# KiCad board s100_ColorMagic-1.1-003.kicad_pcb (continued)
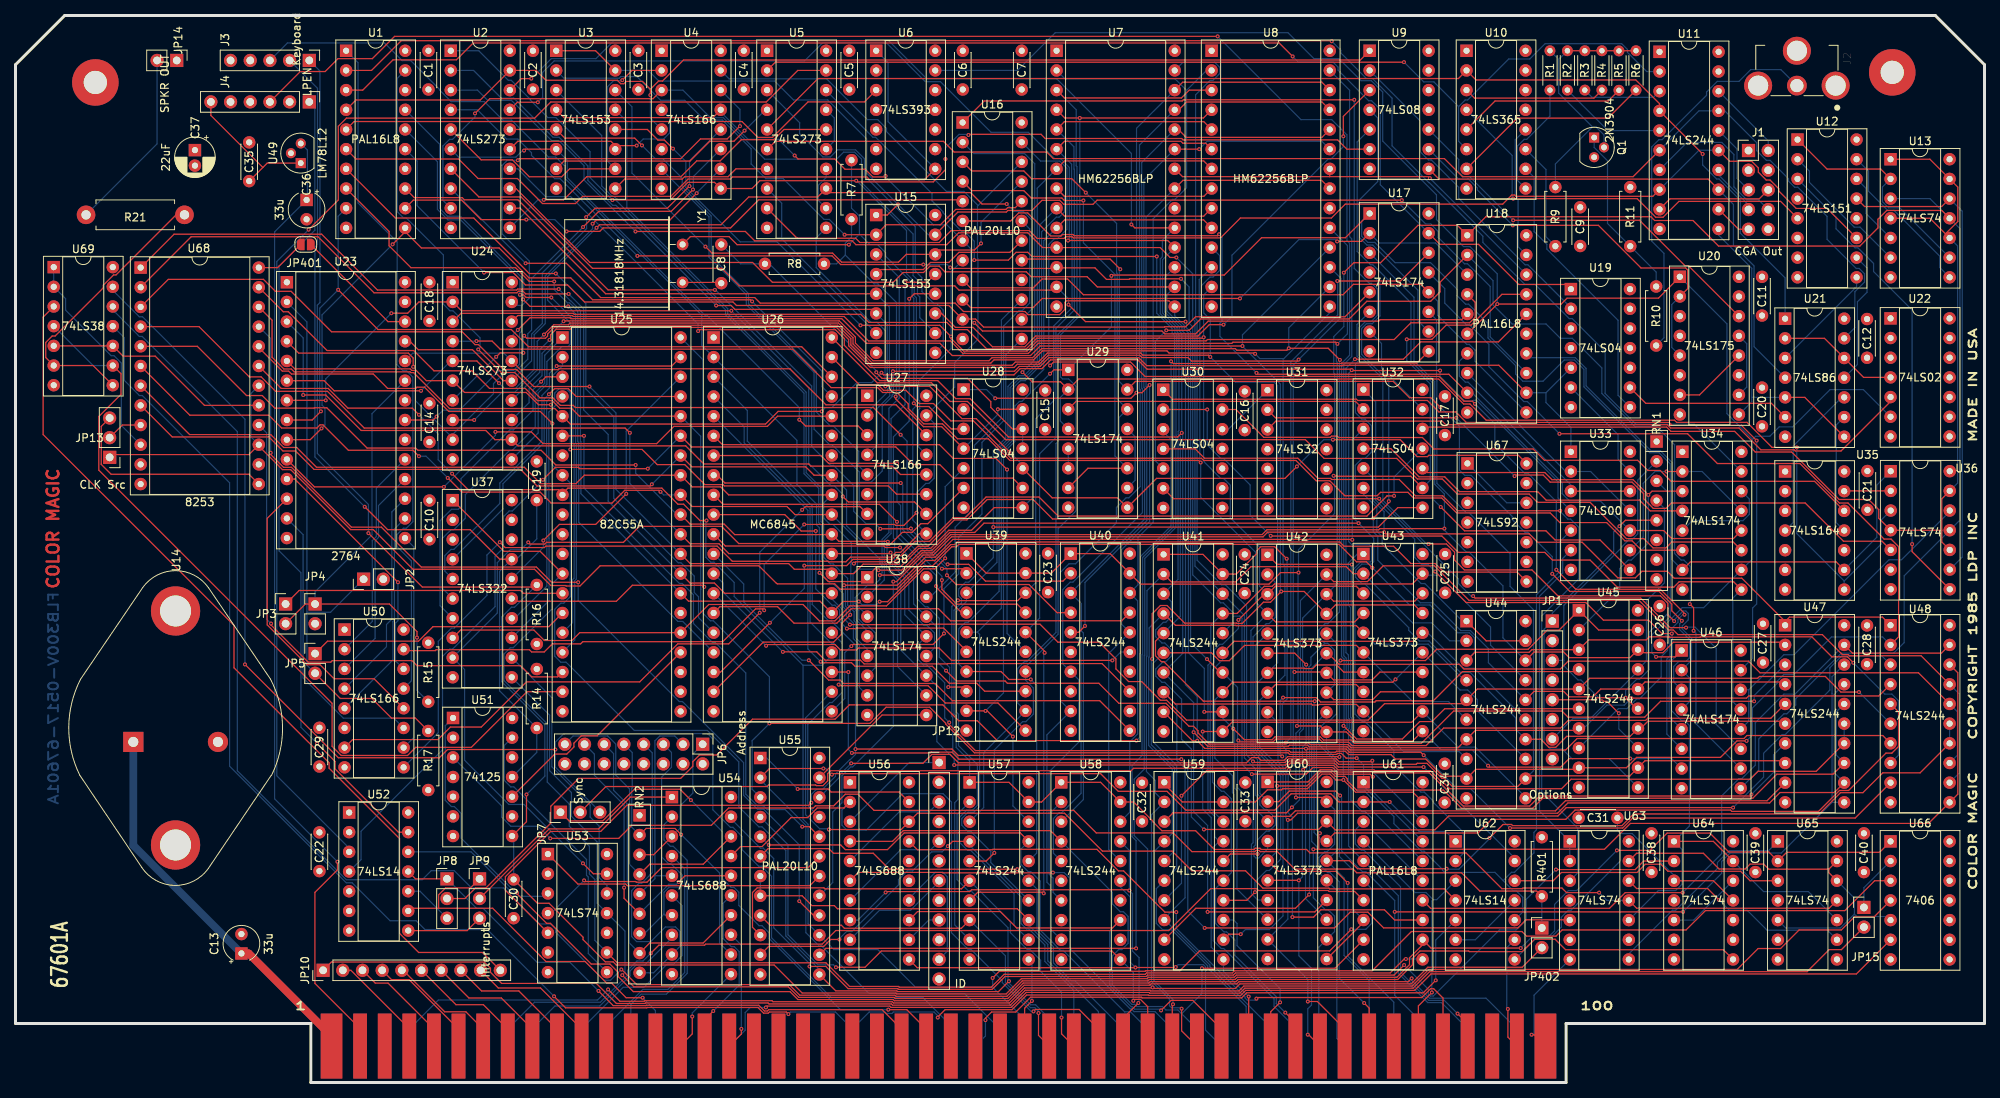
[diagram p0: board, top side]
## Nets (continued)
/Power_Buss_IF/NDEF2: P1.65
/Power_Buss_IF/NDEF3: P1.66
/Power_Buss_IF/NMI*: P1.12
/Power_Buss_IF/pHLDA: P1.26
/Power_Buss_IF/PWRFAIL*: P1.13
/Power_Buss_IF/RESET*: P1.75
/Power_Buss_IF/RFU1: P1.27
/Power_Buss_IF/RFU2: P1.28
/Power_Buss_IF/RFU3: P1.69
/Power_Buss_IF/RFU4: P1.71
/Power_Buss_IF/SDSB*: P1.18
/Power_Buss_IF/sHLTA: P1.48
/Power_Buss_IF/sINTA: P1.96
/Power_Buss_IF/SIXTN*: P1.60
/Power_Buss_IF/sM1: P1.44
/Power_Buss_IF/TMA0*: P1.55
/Power_Buss_IF/TMA1*: P1.56
/Power_Buss_IF/TMA2*: P1.57
/Power_Buss_IF/TMA3*: P1.14
/Power_Buss_IF/XRDY: P1.3
/Q8: U29.3 U32.2
/RAMRD: U7.22 U8.22 U18.18
/RD: U25.5 U33.4 U62.2 U68.22
/RESET: J3.3 U17.1 U26.2 U28.8 U29.1 U38.1 U46.1 U63.10 U64.1 U64.13 U65.10
/SLAVE_CLR: JP402.2 P1.54 U5.18
/STATUS_CS: U45.1 U45.19 U55.22
/sWO: P1.97 U18.16 U61.5
/TMR_INT: JP10.10 U69.3
/TMRCS: U55.16 U68.21
/VI0: JP10.2 P1.4
/VI1: JP10.3 P1.5
/VI2: JP10.4 P1.6
/VI3: JP10.5 P1.7
/VI4: JP10.6 P1.8
/VI5: JP10.7 P1.9
/VI6: JP10.8 P1.10
/VI7: JP10.9 P1.11
/VSYNC_DLY: U6.13 U18.6 U20.1 U22.6 U34.10 U45.8
/WR: U25.36 U33.5 U55.3 U61.1 U62.10 U68.23
A0: P1.79 U25.9 U26.24 U55.15 U61.6 U68.19
A1: P1.80 U25.8 U55.13 U57.2 U68.20
A2: P1.81 U55.11 U57.4
A3: P1.31 U55.10 U57.6
A4: P1.30 U55.9 U57.8
A5: P1.29 U57.11
A6: P1.82 U55.7 U55.8 U57.13
A7: P1.83 U55.6 U57.15
A8: P1.84 U55.5 U57.17
A9: P1.34 U55.4 U58.11
A10: P1.37 U56.13 U58.13
A11: P1.87 U56.11 U58.15
A12: P1.33 U56.8 U58.17
A13: P1.85 U56.6 U58.2
A14: P1.86 U56.4 U58.4 U61.9
A15: P1.32 U54.17 U56.2
A16: P1.16 U54.15
A17: P1.17 U54.13
A18: P1.15 U54.11
A19: P1.59 U54.8
A20: P1.61 U54.6
A21: P1.62 U54.4
A22: P1.63 U54.2
A23: JP9.1 P1.64 U52.9
ALPHA_DOTS: U1.12 U16.5
AT0: U2.2 U15.6 U27.2
AT1: U2.5 U3.10 U4.2
AT2: U2.6 U3.6 U27.3
AT3: U2.9 U4.3 U15.10
AT4: U2.12 U15.5 U27.4
AT5: U2.15 U3.11 U4.4
AT6: U2.16 U3.5 U27.5
AT7: U1.4 U2.19 U4.5 U9.1
ATCLK: U2.11 U5.16
B: U5.9 U11.8 U11.15 U12.11
B_HSYNC_OUT: J1.6 U11.9
B_OUT: J1.9 U11.12
B_VSYNC_OUT: J1.8 U11.7
BACKGROUND_I: U15.12 U38.12
BLINK: U1.5 U6.3
BUS8V: C13.1 P1.1 P1.51 U14.1
BUS16V: C36.1 P1.2 U49.3
BW: U16.16
C0: U3.12 U16.8 U18.4 U27.13
C1: U3.4 U4.13 U16.7 U18.5
CC0: U23.7 U24.2 U27.10
CC1: U4.10 U23.6 U24.5
CC2: U23.5 U24.6 U27.11
CC3: U4.11 U23.4 U24.9
CC4: U23.3 U24.12 U27.12
CC5: U4.12 U23.25 U24.15
CC6: U23.24 U24.16 U27.14
CC7: U4.14 U23.21 U24.19
CCLK: U16.19 U26.21
CGROM11: JP3.1 U25.14
CGROM12: JP5.1 U25.15
CHG_DOTS: U1.1 U50.13
CLOCK: P1.49 U62.9
COLOR_SEL: U16.15 U38.15
CURSOR: U26.19 U32.3
CURSOR_BLINK: U1.6 U6.1 U6.8
D3IN: U16.23 U46.6
DA12: U1.13 U40.2
DA13: U1.19 U40.4
DI0: P1.95 U42.2 U47.11 U47.18 U60.2
DI1: P1.94 U42.5 U47.13 U47.16 U60.5
DI2: P1.41 U42.6 U47.14 U47.15 U60.6
DI3: P1.42 U42.9 U47.12 U47.17 U60.9
DI4: P1.91 U42.12 U48.11 U48.18 U60.12
DI5: P1.92 U42.15 U48.13 U48.16 U60.15
DI6: P1.93 U42.16 U48.14 U48.15 U60.16
DI7: P1.43 U42.19 U48.12 U48.17 U60.19
DISPEN: U26.18 U32.11
DO0: P1.36 U41.2 U43.2 U44.2 U59.2
DO1: P1.35 U41.4 U43.5 U44.4 U59.4
DO2: P1.88 U41.6 U43.6 U44.6 U59.6
DO3: P1.89 U41.8 U43.9 U44.8 U59.8
DO4: P1.38 U41.11 U43.12 U44.11 U59.11
DO5: P1.39 U41.13 U43.15 U44.13 U59.13
DO6: P1.40 U41.15 U43.16 U44.15 U59.15
DO7: P1.90 U41.17 U43.19 U44.17 U59.17
DOTCLK: U4.7 U18.12 U19.5 U27.7 U33.1 U50.7
DOTD0: U23.11 U50.14
DOTD1: U23.12 U50.12
DOTD2: U23.13 U50.11
DOTD3: U23.15 U50.10
DOTD4: U23.16 U50.5
DOTD5: U23.17 U50.4
DOTD6: U23.18 U50.3
DOTD7: U23.19 U50.2
ENABLE_BLINK: U1.3 U17.15 U19.1
FB1: U18.7 U33.3 U33.12
FB2: U18.8 U33.2 U33.11
G: U5.6 U11.6 U11.17 U21.13
G_OUT: J1.7 U11.14
GA0: U26.4 U39.11
GA1: U26.5 U39.13
GA2: U26.6 U39.15
GA3: U26.7 U39.17
GA4: U26.8 U39.2
GA5: U26.9 U39.4
GA6: U26.10 U39.6
GA7: U26.11 U39.8
GA8: U26.12 U40.11
GA9: U26.13 U40.13
GA10: U26.14 U40.15
GA11: U26.15 U40.17
GA12: U1.7 U26.16
GA13: U1.8 U26.17
GRPH: U1.15 U16.11 U17.5
HCLK: U18.17 U32.9 U39.1 U39.19 U40.1 U40.19 U42.11 U43.11 U46.7 U60.11 U61.8
HDGRAPHIC: U16.9 U17.12 U18.11
HI_ADDR: U54.19 U61.11
HRES: U16.10 U17.2 U18.3
HSYNC: U26.39 U34.6
HSYNC_OUT: U11.11 U20.9 U21.5 U21.8
I: U5.2 U10.6 U11.2
I_OUT: J1.2 U11.18
IDSELECT: U55.1 U56.19
KBD_CLK: C30.1 J3.1 R16.1 U51.8 U64.2
KBD_DATA: C19.1 J3.2 R14.1 U37.17 U51.11
LATCH_CLK: U5.13 U16.14 U24.11
LC1: U5.12 U5.14
LC2: U5.15 U5.17
LCLK: U16.2 U29.2 U29.4 U35.8 U36.3
LPENSTR: U26.3 U45.4 U53.5
MA0: U7.10 U8.10 U39.9 U57.18
MA1: U7.9 U8.9 U39.7 U57.16
MA2: U7.8 U8.8 U39.5 U57.14
MA3: U7.7 U8.7 U39.3 U57.12
MA4: U7.6 U8.6 U39.18 U57.9
MA5: U7.5 U8.5 U39.16 U57.7
MA6: U7.4 U8.4 U39.14 U57.5
MA7: U7.3 U8.3 U39.12 U57.3
MA8: U7.25 U8.25 U40.9 U58.9
MA9: U7.24 U8.24 U40.7 U58.7
MA10: U7.21 U8.21 U40.5 U58.5
MA11: U7.23 U8.23 U40.3 U58.3
MA12: U7.2 U8.2 U40.18 U58.18
MA13: U7.26 U8.26 U28.1 U40.16 U58.16
MDO0: U8.11 U24.3 U42.3 U43.3 U59.18
MDO1: U8.12 U24.4 U42.4 U43.4 U59.16
MDO2: U8.13 U24.7 U42.7 U43.7 U59.14
MDO3: U8.15 U24.8 U42.8 U43.8 U59.12
MDO4: U8.16 U24.13 U42.13 U43.13 U59.9
MDO5: U8.17 U24.14 U42.14 U43.14 U59.7
MDO6: U8.18 U24.17 U42.17 U43.17 U59.5
MDO7: U8.19 U24.18 U42.18 U43.18 U59.3
MDO8: U2.3 U7.11 U41.18 U47.9 U60.3
MDO9: U2.4 U7.12 U41.16 U47.7 U60.4
MDO10: U2.7 U7.13 U41.14 U47.5 U60.7
MDO11: U2.8 U7.15 U41.12 U47.3 U60.8
MDO12: U2.13 U7.16 U41.9 U48.9 U60.13
MDO13: U2.14 U7.17 U41.7 U48.7 U60.14
MDO14: U2.17 U7.18 U41.5 U48.5 U60.17
MDO15: U2.18 U7.19 U41.3 U48.3 U60.18
MEMCS: U61.12 U65.2 U66.1 U69.12
MUX_G: U3.9 U5.7
MUX_I: U5.3 U15.9
MUX_R: U3.7 U5.4
MUXA: U3.14 U15.14 U16.21
MUXB: U3.2 U15.2 U16.20
MUXBLUE: U5.8 U15.7
NEW_RESET: U5.19 U52.3
OVERSCAN_B: U15.3 U38.2
OVERSCAN_G: U3.13 U38.5
OVERSCAN_I: U15.13 U38.10
OVERSCAN_R: U3.3 U38.7
PD0: U17.3 U25.34 U26.33 U38.3 U44.18 U45.18 U47.2 U68.8
PD1: U17.4 U25.33 U26.32 U38.4 U44.16 U45.16 U47.4 U68.7
PD2: U17.6 U25.32 U26.31 U38.6 U44.14 U45.14 U47.6 U68.6
PD3: U17.11 U25.31 U26.30 U38.11 U44.12 U45.12 U47.8 U68.5
PD4: U17.13 U25.30 U26.29 U38.13 U44.9 U45.9 U48.2 U68.4
PD5: U17.14 U25.29 U26.28 U38.14 U44.7 U45.7 U48.4 U68.3
PD6: U25.28 U26.27 U44.5 U45.5 U48.6 U68.2
PD7: U25.27 U26.26 U44.3 U45.3 U48.8 U68.1
pDBIN: P1.78 U55.2 U61.2 U62.1
PHI: JP8.1 P1.24 U52.11
POC*: P1.99 U51.1
PORTC2: U1.16 U25.16
PORTC3: U1.17 U25.17
PRDY: P1.72 U66.6 U69.11
pSTVAL: JP7.1 P1.25
pSYNC: JP7.3 P1.76 U69.13
pWR*: P1.77 U62.5
Q2: U29.5 U29.6
Q3: U16.4 U29.7 U29.11
Q4: U29.10 U29.13
Q5: U16.3 U29.12 U29.14
Q6: U16.17 U29.15 U46.3
Q7: U16.1 U46.2 U46.4
Q8: U32.1 U46.5
R: U5.5 U10.2 U11.4 U21.1
R_OUT: J1.5 U11.16
RA0: U1.9 U23.8 U26.38
RA1: U1.11 U23.9 U26.37
RA2: U23.10 U26.36
RESET: U25.35 U28.9 U52.4
SELBLUE: U15.4 U16.18
sINP: P1.46 U56.17
SL: U4.15 U16.22 U27.15 U50.15
sMEMR: P1.47 U61.3
sOUT: P1.45 U61.4 U62.3
SPKR_DATA: U25.19 U69.4 U69.9
SPKR_GATE: U25.18 U68.16
STR: U3.1 U3.15 U15.1 U15.15 U18.13
SYNC_SRC: U62.12 U65.3
U12.5: U10.4 U12.5
U19.8: U10.10 U19.8
U25.13: U25.13 U37.1 U53.9 U66.3
U25.24: U25.24 U51.10
U25.25: U25.25 U28.5 U37.8
U35.12: U30.13 U35.12
U35.13: U35.13 U36.2
VIDEO_EN: U9.4 U17.10
VSYNC: U26.40 U34.11
VSYNC_OUT: U9.8 U11.13 U21.4
XTRQ: P1.58 U61.7
Net-(C8-Pad1): C8.1 R8.2 U28.11 U28.12
Net-(C8-Pad2): C8.2 Y1.2
Net-(C31-Pad1): C31.1 U62.8 U64.3 U64.11
Net-(J2-Pad2): J2.2 R10.2
Net-(J4-Pad1): J4.1 U52.13
Net-(JP1-Pad1): JP1.1 RN1.5 U45.11
Net-(JP1-Pad3): JP1.3 RN1.2 U45.13
Net-(JP1-Pad5): JP1.5 RN1.3 U45.15
Net-(JP1-Pad7): JP1.7 RN1.4 U45.17
Net-(JP2-Pad1): JP2.1 JP5.2 R17.2 U23.2
Net-(JP3-Pad2): JP3.2 JP4.1 R15.2 U23.23
Net-(JP6-Pad1): JP6.1 RN2.3 U54.3
Net-(JP6-Pad3): JP6.3 RN2.5 U54.5
Net-(JP6-Pad5): JP6.5 RN2.7 U54.7
Net-(JP6-Pad7): JP6.7 RN2.9 U54.9
Net-(JP6-Pad9): JP6.9 RN2.2 U54.12
Net-(JP6-Pad11): JP6.11 RN2.8 U54.14
Net-(JP6-Pad13): JP6.13 RN2.6 U54.16
Net-(JP6-Pad15): JP6.15 RN2.4 U54.18
Net-(JP7-Pad2): JP7.2 U62.13
Net-(JP8-Pad2): JP8.2 U30.3
Net-(JP8-Pad3): JP8.3 U52.10
Net-(JP9-Pad2): JP9.2 U54.1
Net-(JP9-Pad3): JP9.3 U52.8
Net-(JP12-Pad1): JP12.1 U56.3
Net-(JP12-Pad3): JP12.3 U56.5
Net-(JP12-Pad5): JP12.5 U56.7
Net-(JP12-Pad7): JP12.7 U56.9
Net-(JP12-Pad9): JP12.9 U56.12
Net-(JP12-Pad11): JP12.11 U56.14
Net-(JP13-Pad1): JP13.1 U67.8 U68.15 U68.18
Net-(JP13-Pad2): JP13.2 U68.9
Net-(JP13-Pad3): JP13.3 U68.13
Net-(JP14-Pad2): JP14.2 R21.2
Net-(JP15-Pad1): JP15.1 U66.2
Net-(JP401-Pad1): JP401.1 U23.26
Net-(JP402-Pad1): JP402.1 R401.1 U51.3
Net-(Q1-Pad1): Q1.1 R10.1 R11.2
Net-(Q1-Pad2): Q1.2 R1.2 R2.2 R3.2 R4.2 R5.2 R6.2 R9.2
Net-(R1-Pad1): R1.1 U10.9
Net-(R2-Pad1): R2.1 U11.5
Net-(R3-Pad1): R3.1 U11.3
Net-(R4-Pad1): R4.1 U10.3
Net-(R5-Pad1): R5.1 U10.5
Net-(R6-Pad1): R6.1 U10.7
Net-(R7-Pad1): R7.1 U28.3 Y1.1
Net-(R7-Pad2): R7.2 R8.1 U28.4 U28.13
Net-(R9-Pad1): R9.1 U10.11
Net-(R21-Pad1): R21.1 U69.6 U69.8
Net-(U12-Pad1): U12.1 U13.2 U13.9
Net-(U12-Pad2): U12.2 U13.6
Net-(U12-Pad3): U12.3 U36.8
Net-(U12-Pad9): U12.9 U21.3
Net-(U12-Pad10): U12.10 U21.11
Net-(U12-Pad13): U12.13 U13.12 U36.9
Net-(U12-Pad14): U12.14 U13.5
Net-(U12-Pad15): U12.15 U13.8
Net-(U15-Pad11): U9.3 U15.11
Net-(U17-Pad7): U17.7 U32.13
Net-(U19-Pad6): U19.6 U33.13
Net-(U19-Pad9): U19.9 U21.6
Net-(U20-Pad2): U9.9 U20.2 U20.5
Net-(U20-Pad10): U20.10 U20.13
Net-(U20-Pad12): U20.7 U20.12
Net-(U20-Pad14): U9.10 U20.14
Net-(U21-Pad9): U21.9 U35.11
Net-(U21-Pad10): U21.10 U35.4
Net-(U21-Pad12): U21.2 U21.12 U22.4
Net-(U22-Pad5): U22.5 U31.3
Net-(U25-Pad1): U25.1 U37.6
Net-(U25-Pad2): U25.2 U37.14
Net-(U25-Pad3): U25.3 U37.7
Net-(U25-Pad4): U25.4 U37.13
Net-(U25-Pad37): U25.37 U37.4
Net-(U25-Pad38): U25.38 U37.16
Net-(U25-Pad39): U25.39 U37.5
Net-(U25-Pad40): U25.40 U37.15
Net-(U28-Pad6): U28.6 U37.9 U53.13
Net-(U30-Pad1): U30.1 U46.15
Net-(U30-Pad4): U30.4 U63.3
Net-(U30-Pad12): U30.12 U31.1
Net-(U31-Pad2): U31.2 U36.5
Net-(U32-Pad4): U32.4 U34.4
Net-(U32-Pad6): U32.6 U44.1 U44.19
Net-(U33-Pad6): U33.6 U63.1 U63.2
Net-(U33-Pad8): U9.5 U33.8
Net-(U33-Pad9): U33.9 U34.2 U34.13
Net-(U34-Pad14): U34.5 U34.14
Net-(U37-Pad11): U37.11 U53.11 U64.8
Net-(U37-Pad12): U37.12 U53.12
Net-(U51-Pad13): U51.13 U53.8
Net-(U52-Pad12): U52.12 U53.3
Net-(U62-Pad11): U62.6 U62.11
Net-(U63-Pad8): U63.8 U65.1
Net-(U63-Pad12): U63.12 U65.9
Net-(U63-Pad13): U63.13 U65.5 U65.12 U65.13 U66.5
Net-(U64-Pad12): U64.5 U64.12
Net-(U67-Pad1): U67.1 U67.12
Net-(U68-Pad10): U68.10 U69.1 U69.2
Net-(U68-Pad17): U68.17 U69.5 U69.10

Pads without a net: H1 1; H2 1; J1 3 4; J4 2; RN1 6 7 8; U1 14 18; U6 4 5 6 9 10 11; U9 11 12 13; U10 13 14; U12 6; U18 15; U19 3 4 10 11 12 13; U20 3 6 11 15; U22 1 2 3 8 9 10 11 12 13; U23 1 27; U25 10 11 12 20 21 22 23; U26 34 35; U30 8 9 10 11; U31 4 5 6 8 9 10 11 12 13; U35 3 5 6 10; U36 6; U40 6 8 12 14; U51 4 5 6; U52 1 2 5 6; U53 6; U58 6 8 12 14; U63 6 9; U64 6 9; U65 6 8; U66 8 9 10 11 12 13; U67 2 3 4 9 11 13

## Via types
v1: diameter 0.508, hole 0.254, Component to Copper, 438 vias

## Routing (per net, layer and track width the routed paths; a pad name or vN(x,y) marks a point on that pad's centre or on a via; arc(x,y) is an arc through that point)
+12V: length 18.9
  Component w0.152: U49.1 32.47,118.66 31.91,118.09 ; 31.91,118.09 C35.1 ; 31.91,118.09 25.2,124.8 25.2,126.56
GND: length 16.4
  Component w0.152: v1(195.58,6.17) 195.89,6.17 197.36,4.7
  Copper w0.152: 195.89,6.17 197.36,4.7 ; 195.89,6.17 v1(195.58,6.17) ; 195.89,6.17 195.89,11.27 U63.7
VCC: length 6.6
  Component w0.152: U68.24 33.81,105.17 JP401.2
3.58MHZ: length 42.1
  Copper w0.152: 223.59,50.68 223.59,46.64 U46.12 ; 223.59,50.68 228.12,55.2 229.43,55.2 241.69,67.47 243.3,67.47 249.52,73.69 U36.12 ; 223.59,50.68 U46.14
7MHZ: length 148.7
  Component w0.152: v1(216.47,58.3) 216.47,61.26 v1(215.99,61.74) ; U18.2 183.77,103.29 183.77,102.04 182.55,100.82 174.32,100.82 172.04,98.54 152.87,98.54 151.41,97.08 v1(148.45,97.08)
  Copper w0.152: U18.2 190.6,103.48 190.6,100.36 193.06,97.89 197.44,97.89 199.28,96.05 200.81,96.05 204.64,92.21 204.64,88.93 208.93,84.64 211.69,84.64 214.02,82.31 214.02,68.27 214.87,67.42 215.22,67.42 216.06,66.59 216.06,61.81 v1(215.99,61.74) ; U30.5 147.04,80.24 147.04,95.67 v1(148.45,97.08) ; v1(216.47,58.3) 216.77,58 216.77,46.3 U46.10
14MCLK: length 327.3
  Component w0.152: v1(128.21,81.4) 123.93,85.68 122.09,85.68 117.93,89.84 v1(112.21,89.84) ; v1(169.95,82.96) 178.62,82.96 180.81,80.78 182.15,80.78 182.31,80.94 193.87,80.94 U67.14 ; U13.11 248.49,112.54 241.38,112.54 240.25,111.41 240.25,110.29 237.92,107.95 219.7,107.95 216.4,111.25 211.45,111.25 210.96,111.74 189.68,111.74 U18.1 186,110.62 180.91,110.62 176.1,105.81 172.64,105.81 v1(171.35,104.51) ; v1(165.3,79.5) 163.76,77.97 147.2,77.97 U29.9 142.15,75.46 133.73,75.46 U28.10
  Copper w0.152: U28.10 129.92,79.69 v1(128.21,81.4) ; U13.3 246.96,114.08 U13.11 250.83,110.21 250.83,72.58 U36.11 243.64,65.39 243.64,56.77 242.28,55.41 235.53,55.41 229.65,49.53 229.65,48.72 228.51,47.59 228.12,47.59 224.88,44.34 224.88,40.31 U46.9 ; v1(171.35,104.51) 171.35,97.57 170.05,96.27 170.05,91.56 170.17,91.44 170.17,83.18 v1(169.95,82.96) 168.75,82.96 v1(165.3,79.5) ; v1(112.21,89.84) 112.17,89.89 112.17,97.08 111.13,98.11 110.34,98.11 103.29,105.16 103.29,109.02 U5.11
6845E: length 127.9
  Component w0.152: v1(153.41,19.95) 170.14,19.95 172.17,21.98 174.46,21.98 176.49,19.95 193.81,19.95 194.86,21 200.46,21 U63.5 ; U26.23 v1(107.43,52.97) ; v1(150.39,41.72) 121.71,41.72 120.8,42.63 118.09,42.63 117.99,42.53 v1(107.9,42.53)
  Copper w0.152: v1(107.43,52.97) 107.43,42.99 v1(107.9,42.53) ; v1(153.41,19.95) 151.23,22.13 151.23,40.89 v1(150.39,41.72)
/3.6MCLK: length 106.1
  Component w0.152: U30.2 v1(153.73,86.86) ; v1(161.93,70.55) 161.96,70.52 184,70.52 186.11,68.41 197.28,68.41 198.27,67.42 203.12,67.42 206.61,63.93 213.92,63.93 214.61,64.62 221.64,64.62 U34.9
  Copper w0.152: v1(161.93,70.55) 159.27,73.21 159.27,77.11 155.88,80.5 155.52,80.5 153.73,82.29 v1(153.73,86.86) ; U34.9 221.53,62.5 221.53,49.16 U46.13
/7MHZ: length 94.7
  Component w0.152: v1(188.03,62.78) 188.29,62.52 209.64,62.52 213.45,58.7 v1(215.5,58.7) ; v1(175.92,75.34) 149.4,75.34 U30.6
  Copper w0.152: U46.11 219.39,46.22 219.39,56.04 216.65,58.77 215.56,58.77 v1(215.5,58.7) ; v1(188.03,62.78) 187.76,62.78 186.12,64.42 186.12,65.01 175.92,75.21 v1(175.92,75.34)
/6845CS: length 27
  Copper w0.152: U26.25 106.66,56.69 106.66,50.36 105.34,49.04 105.02,49.04 102.2,46.21 102.2,35.76 U55.21
/6845WRT: length 107.5
  Component w0.152: U62.4 184.29,24.99 169.52,24.99 169.43,25.08 160.91,25.08 158.68,27.32 151.74,27.32 149.2,29.86 140.22,29.86 135.33,34.75 116.36,34.75 U56.18 114.25,32.65 v1(104.93,32.65)
  Copper w0.152: U26.22 101.92,47.05 101.92,34.56 103.74,32.74 104.84,32.74 v1(104.93,32.65)
/BLANK: length 17.3
  Copper w0.152: U10.12 193.46,121.66 193.46,114.46 193.84,114.09 193.84,107.86 U18.19
/BW: length 140.7
  Component w0.152: U32.12 181.74,84.59 213,84.59 213.56,84.03 221.77,84.03 224.43,81.37 229.12,81.37 235.25,75.24 239.05,75.24 240.35,73.95 240.35,72.83 U36.4 248.49,71.28 ; 248.49,71.28 248.49,75.32 U36.13 ; 248.49,71.28 248.49,69.77 U36.10 ; U13.10 248.96,109.53 ; 248.96,109.53 246.96,111.53 U13.4 ; 248.96,109.53 250.56,111.13 250.56,115.56 U13.13 246.96,119.16 U13.1
  Copper w0.152: U13.10 250.53,107.97 250.53,77.36 U36.13
/CLR_SL: length 277.2
  Component w0.152: v1(122.93,122.28) 123.01,122.37 132.3,122.37 132.83,121.83 150.43,121.83 150.61,121.66 170.54,121.66 171.75,120.45 U9.6 ; v1(62.47,69.73) 63.17,69.04 68.22,69.04 68.41,69.22 90.52,69.22 92.47,67.27 104.82,67.27 104.89,67.2 107.12,67.2 107.72,67.8 112.94,67.8 113.56,68.42 114.18,68.42 116.61,70.85 U27.9 ; v1(119.96,119.19) 119.96,117.8 118.39,116.23 108.6,116.23 v1(108.45,116.38) 96.02,116.38 95.01,115.38 U4.9 90.17,116.17 86.73,116.17 84.46,113.9 v1(77,113.9)
  Copper w0.152: v1(62.47,69.73) 60.81,68.07 60.81,62.86 56.6,58.64 56.24,58.64 54.54,56.94 54.54,45.15 U50.9 ; v1(122.93,122.28) 122.85,122.36 121.72,122.36 119.96,120.6 v1(119.96,119.19) ; v1(108.45,116.38) 108.51,116.38 114.94,109.96 114.94,104.4 115.93,103.4 115.93,101.56 116.21,101.27 116.21,87.98 116.34,87.85 116.34,87.47 115.74,86.88 115.74,72.61 U27.9 ; U2.1 59.76,133.16 63.57,129.34 63.94,129.34 66.41,126.87 66.41,126.79 68.68,124.53 69.71,124.53 74.12,120.12 74.12,116.78 v1(77,113.9)
/CURSOR_DLY: length 212.1
  Component w0.152: U1.2 45.92,130.62 49.76,134.46 169.72,134.46 v1(169.79,134.39)
  Copper w0.152: U34.15 216.55,84.95 209.03,84.95 205.06,88.92 205.06,94.34 200.82,98.59 200.44,98.59 196.03,102.99 194.72,102.99 189.29,108.42 189.29,109.23 182.38,116.14 182.32,116.14 177.58,120.88 177.58,127.03 175.03,129.58 174.26,129.58 170.96,132.87 170.96,133.22 v1(169.79,134.39)
/DISPEN: length 56.5
  Component w0.152: U32.10 182.05,78.72 197.28,78.72 198.21,77.8 208.67,77.8 v1(210.63,75.83) 211.12,76.31 U34.3
  Copper w0.152: U45.2 206.94,63.66 206.94,66.32 208.05,67.42 208.43,67.42 210.63,69.63 v1(210.63,75.83)
/DISPEN_DLY: length 127.7
  Component w0.152: U33.10 212.61,71.23 213.64,70.2 221.61,70.2 U34.12 ; 187.28,89.02 184.9,91.4 160.26,91.4 v1(160.09,91.58) ; U16.6 128.38,111.2 129.41,112.23 130.57,112.23 133.55,109.25 134.87,109.25 135.05,109.43 136.42,109.43 136.57,109.28 155.08,109.28 v1(155.27,109.48)
  Copper w0.152: v1(155.27,109.48) 155.64,109.11 155.64,98.26 155.37,97.99 155.37,96.29 v1(160.09,91.58) ; U33.10 204.46,75.05 200.48,75.05 199.53,75.99 199.53,77.37 187.88,89.02 187.28,89.02
/EN2: length 84.1
  Component w0.152: U61.13 177.91,20.97 176.59,22.29 168.39,22.29 167.45,21.34 v1(164.73,21.34) ; U41.1 153.18,68.16 U41.19 157.47,65.61 160.14,68.28 160.14,68.64 160.64,69.15 162.43,69.15 v1(163.98,67.6)
  Copper w0.152: v1(163.98,67.6) 164.04,67.54 164.04,49.51 163.42,48.89 163.42,43.46 163.88,43 163.88,40.62 163.79,40.53 163.79,40.15 164.17,39.77 164.17,34.81 164.73,34.25 v1(164.73,21.34)
/EN3: length 90.9
  Component w0.152: v1(215.06,24.51) 207.65,24.51 205.63,22.48 182.55,22.48 U61.14 ; U48.19 248.44,55.42 236.96,55.42 U47.19
  Copper w0.152: U47.19 229.55,50.12 228.12,50.12 224.43,46.43 224.43,40.95 222.69,39.21 222.31,39.21 220.09,36.99 220.09,29.54 v1(215.06,24.51)
/EN4: length 47.7
  Copper w0.152: U43.1 173.1,68.2 171.93,67.03 171.93,61.6 172.23,61.3 172.23,47.15 172.33,47.04 172.33,45.61 172.27,45.54 172.27,36.41 173.74,34.94 174.12,34.94 175.01,34.05 175.01,32.56 U61.15
/EN5: length 54.1
  Component w0.152: U42.1 162.73,66.88 172.36,66.88 v1(172.39,66.85)
  Copper w0.152: U61.16 174.91,35.2 174.91,36.73 174.06,37.58 173.1,37.58 172.55,38.13 172.55,45.4 172.64,45.48 172.64,47.14 172.51,47.27 172.51,61.42 172.3,61.62 172.3,66.76 v1(172.39,66.85)
/EN6: length 25.6
  Component w0.152: v1(175.08,39.46) 174.75,39.79 170.37,39.79 169.8,40.36 168.29,40.36 166.72,38.79 U60.1
  Copper w0.152: v1(175.08,39.46) 175.08,37.57 U61.17
/ENABLE_BLINK: length 41.9
  Copper w0.152: U19.2 200.65,99.98 195.1,105.53 194.74,105.53 186.17,114.1 186.17,115.54 182.66,119.06 182.27,119.06 181.22,120.11 181.22,124.07 U9.2
/EVNWR: length 131
  Component w0.152: U61.19 180.27,37.46 172.88,37.46 v1(171.29,39.05) 170.32,39.05 169.56,39.8 168.53,39.8 166.64,37.91 163.46,37.91 163.32,37.77 161.49,37.77 159.93,36.21 U59.19 150.51,36.21 148.2,38.52 U59.1
  Copper w0.152: v1(171.29,39.05) 171.29,45.36 171.77,45.84 171.77,46.81 171.66,46.92 171.66,54.77 171.34,55.08 171.34,92.67 172.37,93.7 172.37,108.88 172.1,109.15 172.1,128.06 U8.27
/HCLK: length 240
  Component w0.152: U32.8 178.32,74.19 175.81,71.68 v1(126.14,71.68) ; U63.11 209.13,22.49 233.96,22.49 U65.11 ; U57.1 128.16,38.74 130.7,36.2 132.36,36.2 U58.1 139.98,38.74 142.52,36.2 144.25,36.2 146.75,33.7 146.75,33.63 147.88,32.49 152.23,32.49 154.65,30.08 159.77,30.08 159.93,30.23 160.54,30.23 160.7,30.08 166.54,30.08 166.98,29.64 187.12,29.64 191.74,25.01 194.37,25.01 194.46,25.1 199.49,25.1 200.08,24.51 v1(204.29,24.51)
  Copper w0.152: U63.11 205.29,23.5 v1(204.29,24.51) ; U57.1 123.08,41.51 121.35,43.25 121.35,47.28 121.07,47.56 121.07,60.94 122.03,61.91 122.03,62.42 121.66,62.79 121.66,63.69 122.55,64.57 122.97,64.57 126.14,67.73 v1(126.14,71.68) 126.14,81.57 127.74,83.17 127.74,93.9 U16.13
/HSYNC_DLY: length 77.3
  Component w0.152: U34.7 216.06,67.19 234.87,67.19 U35.9
  Copper w0.152: U35.9 240.11,70.36 240.11,77.1 U36.1 ; U34.7 213.74,67.44 213.74,79.97 212.15,81.56 210.95,81.56 202.6,89.9 202.6,92.16 201.21,93.55 195.45,93.55 194.9,94.1
/IDEN1: length 191.9
  Component w0.152: U47.1 228.28,59.5 ; 228.28,59.5 228.85,60.06 240.83,60.06 U48.1 ; 228.28,59.5 222.69,65.08 213.97,65.08 213.07,65.98 209.82,65.98 208.97,65.13 206.69,65.13 202.1,69.73 196.35,69.73 195.27,70.8 176.77,70.8 v1(176.55,71.03) 161.53,71.03 160.93,70.43 120.75,70.43 118.4,68.08 117.08,68.08 113.65,64.64 v1(113.24,64.64)
  Copper w0.152: U32.5 175.18,77.97 175.18,75.04 176.55,73.67 v1(176.55,71.03) ; v1(113.24,64.64) 113.24,45.98 107.99,40.73 107.75,40.73 106.61,39.59 106.61,36.1 105.42,34.91 105.42,25.82 U55.17
/IO Chips/KBD_INT*: length 211
  Component w0.152: JP10.1 40.75,15.55 60.47,15.55 61.27,14.74 61.27,14.23 62.71,12.78 74.93,12.78 77.52,10.2 81.21,10.2 81.27,10.27 97.08,10.27 97.21,10.14 112.99,10.14 113.15,9.98 128.33,9.98 130.26,11.91 146.34,11.91 146.43,11.82 157.83,11.82 158.46,12.45 180.16,12.45 182.3,14.59 222.09,14.59 224.79,17.29 227.69,17.29 230.09,19.69 235.53,19.69 237.26,21.42 239.8,21.42 U66.4
/LPEN_CLR: length 37.2
  Component w0.152: U55.18 102.47,25.41 78.91,25.41 78.71,25.61 72.55,25.61 U53.1
/LPEN_SET: length 38.2
  Component w0.152: U55.19 102.26,27.74 83.35,27.74 81.46,25.85 80.09,25.85 80,25.93 73.5,25.93 v1(73.35,26.09)
  Copper w0.152: v1(73.35,26.09) 69.12,21.86 U53.4
/LPENSW: length 257.4
  Component w0.152: J4.3 36.74,130.47 39.94,130.47 41.6,132.14 46.03,132.14 48.9,135.01 v1(155.08,135.01) ; U45.6 184.37,48.24 182.71,46.58 181.15,46.58 178.9,44.33 173.01,44.33 v1(171.31,46.03)
  Copper w0.152: v1(155.08,135.01) 165.82,124.27 169.79,124.27 171.75,122.31 171.75,108.65 172.09,108.31 172.09,93.85 171.06,92.82 171.06,54.97 171.38,54.65 171.38,46.1 v1(171.31,46.03)
/ODDWR: length 127.3
  Component w0.152: v1(175.03,41.53) 174.9,41.4 170.75,41.4 170.37,41.78 164.24,41.78 163.77,41.3 159.77,41.3 v1(159.63,41.44)
  Copper w0.152: U61.18 175.03,40.16 v1(175.03,41.53) ; v1(159.63,41.44) 158.81,42.27 158.81,61.5 156.08,64.23 155.61,64.23 152.42,67.41 152.42,98.38 152.23,98.57 152.23,127.46 154.09,129.32 154.45,129.32 155.38,130.25 155.38,130.99 154.71,131.65 150.58,131.65 U7.27
/PHANTOM: length 154.3
  Component w0.152: JP15.2 235.54,17.15 233.96,17.15 231.12,14.31 182.41,14.31 180.28,12.17 158.58,12.17 157.94,11.54 146.31,11.54 146.23,11.62 130.37,11.62 128.44,9.69 112.95,9.69 112.78,9.86 96.97,9.86 v1(96.8,9.69)
  Copper w0.152: v1(96.8,9.69) 94.8,9.69 94.12,9.02 94.12,6.75 P1.67
/PIACS: length 69.8
  Component w0.152: U25.6 v1(73.33,83.45) ; U55.20 102.4,33.02 v1(101.49,33.02)
  Copper w0.152: v1(101.49,33.02) 99.29,35.22 96.97,35.22 96.49,35.7 95.73,35.7 94.2,37.22 94.2,52.85 90.27,56.78 89.91,56.78 87.46,59.24 87.46,62.95 86,64.41 85.64,64.41 73.33,76.72 v1(73.33,83.45)
/PORT1_WR: length 153.5
  Component w0.152: v1(149.06,93.08) 149.35,92.79 171.04,92.79 171.09,92.85 180.77,92.85 U17.9 ; U55.14 104.53,17.31 v1(144.56,17.31)
  Copper w0.152: v1(149.06,93.08) 149.06,83.37 149.34,83.1 149.34,71.7 145.39,67.75 145.39,55.27 145.33,55.2 145.33,42.2 144.03,40.91 144.03,31.74 144.56,31.22 v1(144.56,17.31)
/PORT2_WR: length 17.1
  Component w0.152: U38.9 111.78,47.43 U55.23
/Q8: length 38.9
  Component w0.152: U29.3 136.81,87.9 172.86,87.9 173.87,86.89 U32.2
/RAMRD: length 52
  Component w0.152: U7.22 150.55,116.91 169.54,116.91 ; v1(182.45,116.71) 182.26,116.91 169.54,116.91 ; 169.54,116.91 U8.22
  Copper w0.152: v1(182.45,116.71) 194.9,104.26 U18.18
/RD: length 266.3
  Component w0.152: v1(183.77,91.88) 172.43,91.88 v1(172.38,91.93) 172.25,92.06 145.98,92.06 144.78,93.26 133.53,93.26 132.4,92.13 129.61,92.13 128.8,91.33 111.99,91.33 v1(111.71,91.6) ; v1(104,86.61) 98.38,86.61 96.74,84.98 71.58,84.98 U25.5 69.57,86.98 55.99,86.98 51.35,91.62 50.99,91.62 50.89,91.72 35.95,91.72 35.58,92.09 34.61,92.09 33.1,93.6 33.1,98.38 U68.22
  Copper w0.152: v1(104,86.61) 104.48,87.09 105.31,87.09 108.54,90.33 110.45,90.33 111.71,91.59 v1(111.71,91.6) ; U62.2 186.78,29.59 186.78,32.28 182.91,36.15 182.91,36.29 181.72,37.48 181.29,37.48 177.8,40.97 177.8,42.86 174.05,46.62 173.72,46.62 172.79,47.55 172.79,61.53 172.58,61.74 172.58,66.21 173.55,67.19 174.78,67.19 174.92,67.32 174.92,69.15 174.66,69.41 172.37,69.41 171.98,69.8 171.98,91.54 v1(172.38,91.93) ; v1(183.77,91.88) 183.77,91.11 186.91,87.96 188.02,87.96 188.09,88.04 188.47,88.04 198.98,77.52 198.98,75.44 U33.4
/RESET: length 372.9
  Component w0.152: v1(133.46,91.47) 133.95,91.97 U29.1 ; v1(211.63,54.93) 214.1,54.93 U46.1 ; v1(141.37,104.11) 141.47,104.21 155.92,104.21 160.74,109.03 171.55,109.03 U17.1 ; U64.13 219.03,31.12 U64.1 ; U28.8 126.25,74.19 123.33,71.27 120.4,71.27 118.05,68.92 116.52,68.92 114.14,66.54 113.7,66.54 113.66,66.58 111.14,66.58 109.88,65.32 U38.1 109.33,64.65 104.85,64.65 v1(103.72,65.78)
  Copper w0.152: U17.1 173.65,111.13 173.65,109.22 174.45,108.42 175.35,108.42 177.97,105.81 182.54,105.81 185.98,102.36 185.98,101.53 187.07,100.45 187.45,100.45 189.95,97.94 189.95,96.09 193.51,92.52 193.51,91.44 194.45,90.51 197.05,90.51 199.78,93.24 201.12,93.24 202.32,92.04 202.32,89.79 210.83,81.28 212.03,81.28 213.46,79.85 213.46,60.14 211.09,57.77 211.09,55.47 v1(211.63,54.93) ; U63.10 211.93,24.77 214.16,24.77 214.98,25.59 214.98,30.09 U64.1 215.94,33.11 215.94,46.08 215.28,46.74 214.88,46.74 213.62,48 213.62,54.45 214.93,55.76 U46.1 ; U29.1 141.37,97.54 v1(141.37,104.11) ; v1(103.72,65.78) 103.7,65.8 103.7,71.6 103.33,71.97 103.33,74.65 100.8,77.19 100.8,82.88 U26.2 88.52,95.15 88.52,99.03 70.9,116.66 70.9,118.23 69.69,119.44 68.75,119.44 63.99,124.2 62.87,124.2 60.48,126.59 56.19,126.59 54.75,128.04 54.75,128.12 50.98,131.88 49.87,131.88 47.6,134.16 35.08,134.16 J3.3 ; U65.10 231.28,24.64 225.5,24.64 U64.13 ; v1(133.46,91.47) 131.29,89.31 131.29,75.56 U28.8
/SLAVE_CLR: length 307.5
  Component w0.152: v1(147.22,106.61) 131.12,106.61 130.58,107.14 129.08,107.14 128.07,106.14 v1(123.68,106.14) ; JP402.2 194.36,14.87 182.18,14.87 180.04,12.73 157.95,12.73 157.35,12.13 146.61,12.13 ; 146.61,12.13 146.69,12.21 v1(146.69,12.28) ; 146.61,12.13 146.54,12.2 130.16,12.2 128.22,10.27 113.26,10.27 113.1,10.42 97.72,10.42 97.59,10.55 81.16,10.55 81.09,10.48 77.97,10.48 v1(76.44,12.01)
  Copper w0.152: v1(147.22,106.61) 147.22,99.28 149.21,97.29 149.21,96.72 149.52,96.4 149.52,92.89 149.42,92.79 149.42,83.41 149.68,83.15 149.68,71.64 145.68,67.64 145.68,55.15 145.61,55.09 145.61,40.44 144.31,39.15 144.31,31.86 146.04,30.13 146.04,12.92 v1(146.69,12.28) ; P1.54 50.8,6.9 54.55,10.65 75.08,10.65 v1(76.44,12.01) ; U5.18 104.57,128.03 110.61,121.99 110.96,121.99 118.23,114.72 118.23,113.79 119.65,112.37 119.65,112.25 122.08,109.83 122.43,109.83 123.68,108.58 v1(123.68,106.14)
/STATUS_CS: length 125.3
  Component w0.152: v1(107.8,41.19) 117.05,41.19 118.21,42.35 120.55,42.35 121.64,41.26 158.79,41.26 159.45,41.93 160.32,41.93 160.66,41.58 163.65,41.58 164.13,42.06 170.74,42.06 v1(170.78,42.02) ; v1(170.92,54.46) 181.87,54.46 183.33,55.91 195.13,55.91 197.61,58.38 199.12,58.38 U45.1 204.22,58.4 U45.19
  Copper w0.152: v1(170.78,42.02) 170.78,54.32 v1(170.92,54.46) ; v1(107.8,41.19) 106.29,39.68 106.29,39.39 U55.22
/sWO: length 121.3
  Component w0.152: U18.16 191.3,95.58 181.28,95.58 179.04,93.35 v1(172.79,93.35)
  Copper w0.152: v1(172.79,93.35) 171.63,92.18 171.63,55.49 171.94,55.17 171.94,47.03 172.05,46.93 172.05,45.72 171.97,45.64 171.97,30.53 U61.5 178.38,24.11 178.38,14.11 182.17,10.32 183.94,10.32 187.33,6.93 P1.97
/TMR_INT: length 115.5
  Component w0.152: JP10.10 60.24,16.78 52.01,16.78 49.54,19.24 49.54,31.48 40.46,40.56 40.46,41.25 28.19,53.52 28.19,59 3.56,83.62 3.56,98.78 U69.3
/TMRCS: length 120.7
  Component w0.152: v1(32.92,81.27) 32.92,81.04 34.58,79.39 35.6,79.39 43.32,71.67 47.2,71.67 52.35,66.52 67.2,66.52 69.16,64.56 v1(72.58,64.56) ; v1(101.1,23.4) 102.95,21.56 U55.16
  Copper w0.152: U68.21 32.92,96.01 v1(32.92,81.27) ; v1(101.1,23.4) 101.1,30.68 96.52,35.27 95.72,35.27 93.92,37.07 93.92,41.27 86.03,49.16 85.63,49.16 72.58,62.21 v1(72.58,64.56)
/VI0: length 13.9
  Component w0.152: JP10.2 43.27,14.48 50.8,6.95 P1.4
/VI1: length 14.6
  Component w0.152: JP10.3 46.41,12.83 48.06,12.83 53.98,6.91 P1.5
/VI2: length 15.2
  Component w0.152: JP10.4 48.49,13.29 50.77,13.29 57.15,6.9 P1.6
/VI3: length 15.8
  Component w0.152: JP10.5 50,14.48 55.36,9.12 58.1,9.12 60.33,6.89 P1.7
/VI4: length 16.5
  Component w0.152: JP10.6 56.82,10.04 60.35,10.04 63.5,6.89 63.5,4.7
/VI5: length 17.1
  Component w0.152: 54.92,14.48 58.5,10.9 62.67,10.9 66.68,6.9 P1.9
/VI6: length 17.7
  Component w0.152: P1.10 69.85,6.9 64.93,11.82 60.12,11.82 JP10.8
/VI7: length 18.4
  Component w0.152: 60,14.48 62.28,12.2 67.73,12.2 73.03,6.9 P1.11
/VSYNC_DLY: length 225.9
  Component w0.152: U18.6 187.32,96.64 v1(191.14,100.46) 199.39,100.46 200.15,101.22 211.94,101.22 U20.1
  Copper w0.152: v1(191.14,100.46) 191.14,104.36 187.62,107.88 186.8,107.88 183.31,111.37 183.31,114.56 176.37,121.5 176.37,127.83 174.91,129.29 173.57,129.29 170.71,132.14 167.49,132.14 164.15,135.48 134.13,135.48 129.26,130.62 U6.13 ; 224.09,83.01 224.48,83.4 226.3,83.4 227.51,84.61 229.26,84.61 234.08,89.43 238.37,89.43 U22.6 ; 224.09,83.01 223.96,82.87 223.96,67.47 U34.10 217.77,61.28 215.01,61.28 212.92,59.19 212.92,57.63 213.11,57.45 213.11,55.76 212.29,54.94 212.29,52.31 209.48,49.51 209.14,49.51 207.88,48.25 206.77,48.25 U45.8 ; 224.09,83.01 220.77,86.32 220.77,97.91 U20.1
